# Altium PCB BMS_Slave-X+Y.PcbDoc (part 1 of 3)
Units mil, origin at the board's own origin, x right, y up, seen from the top; angles counter-clockwise.
Board outline 10980 x 2910 mil, 2 copper layers (Top Layer, Bottom Layer); 344 components, 227 nets, 912 pads, 532 vias.
Unrouted connection lines stored in the file: 1.
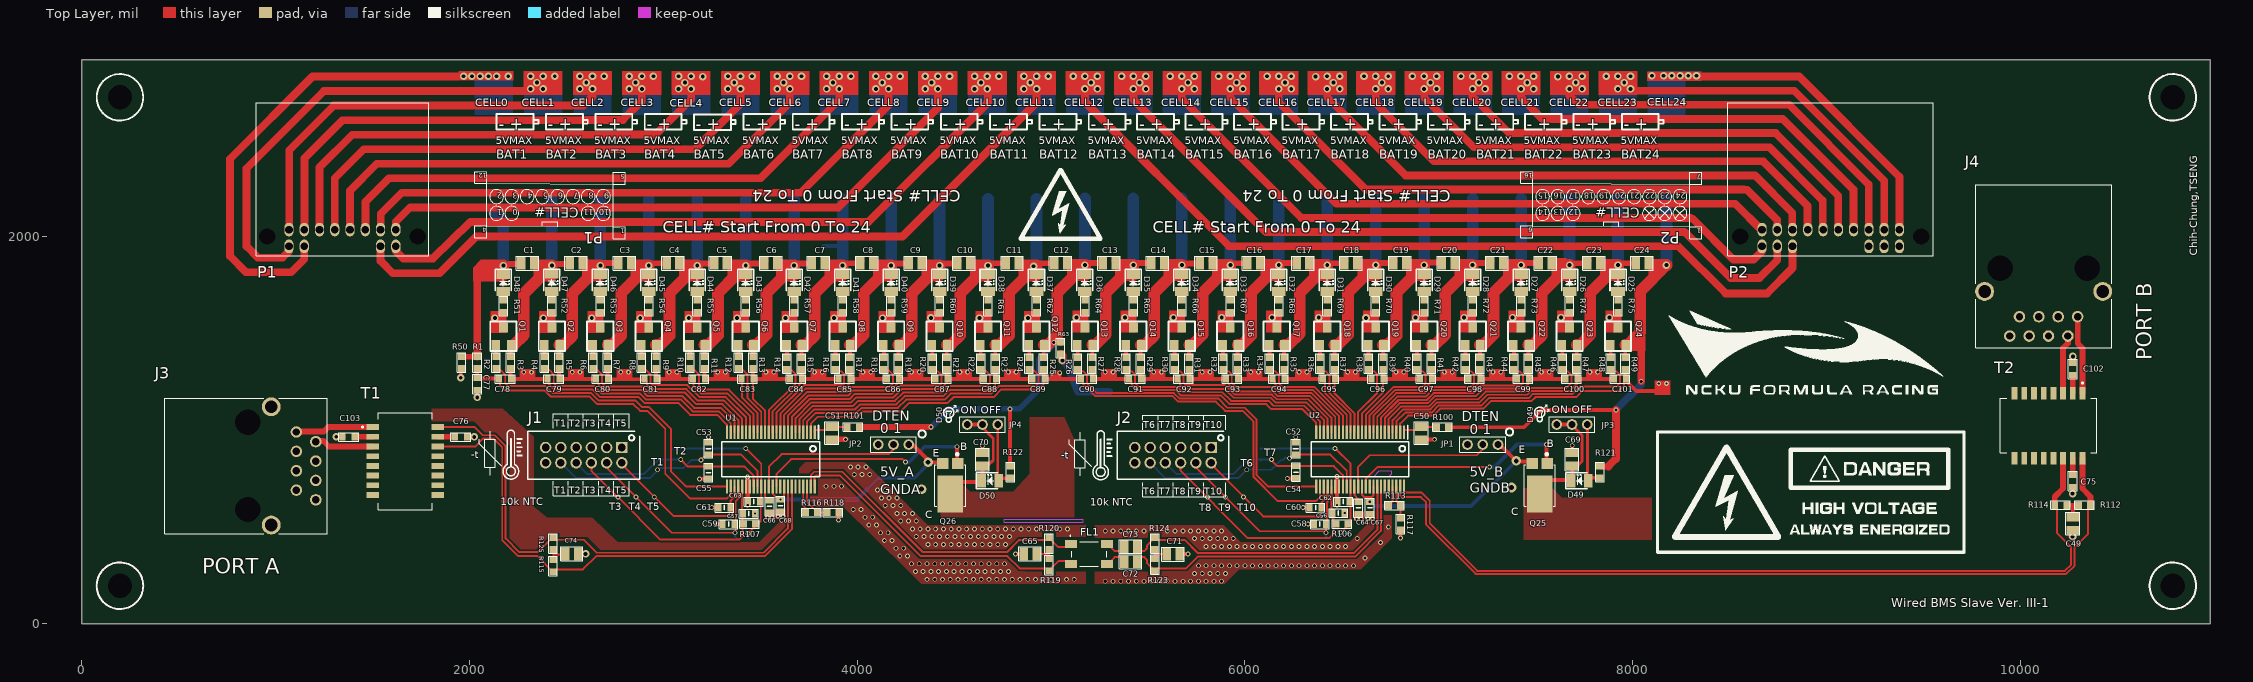
[diagram p0: Top Layer view]
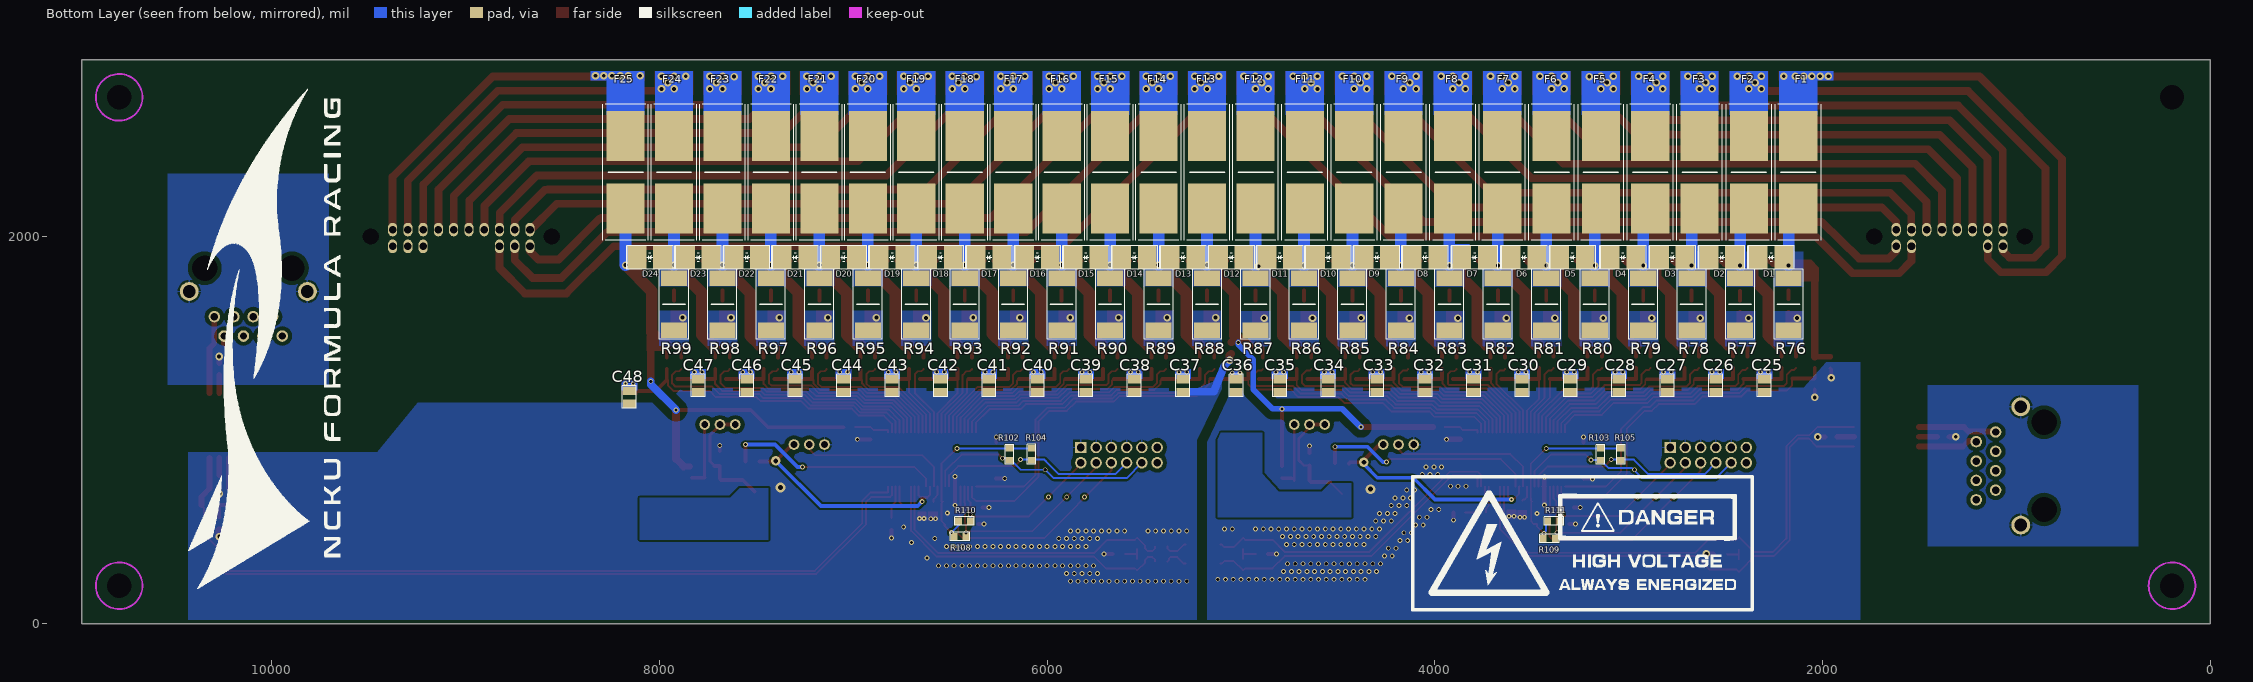
[diagram p1: Bottom Layer view, seen from below]
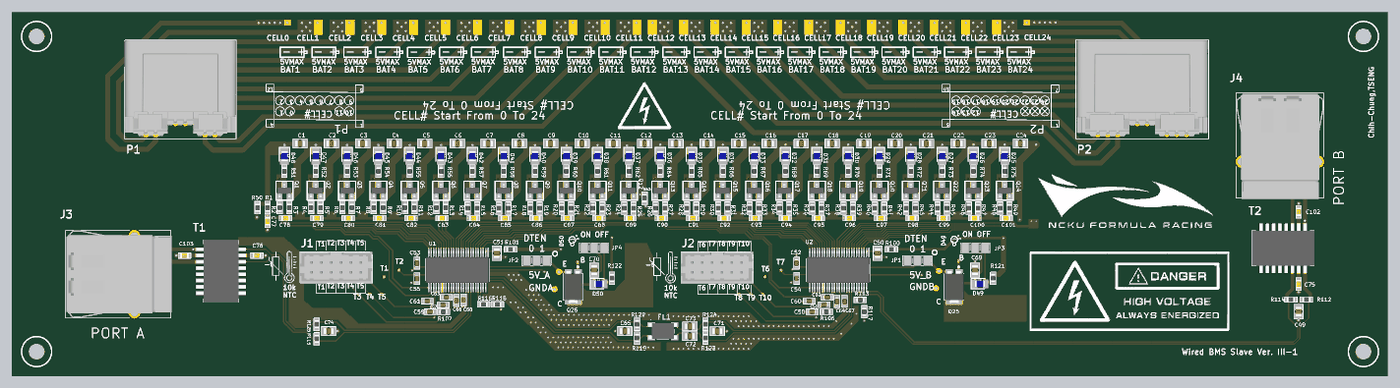
[diagram p4: 3D render of the assembled board from above, using the file's embedded part models]
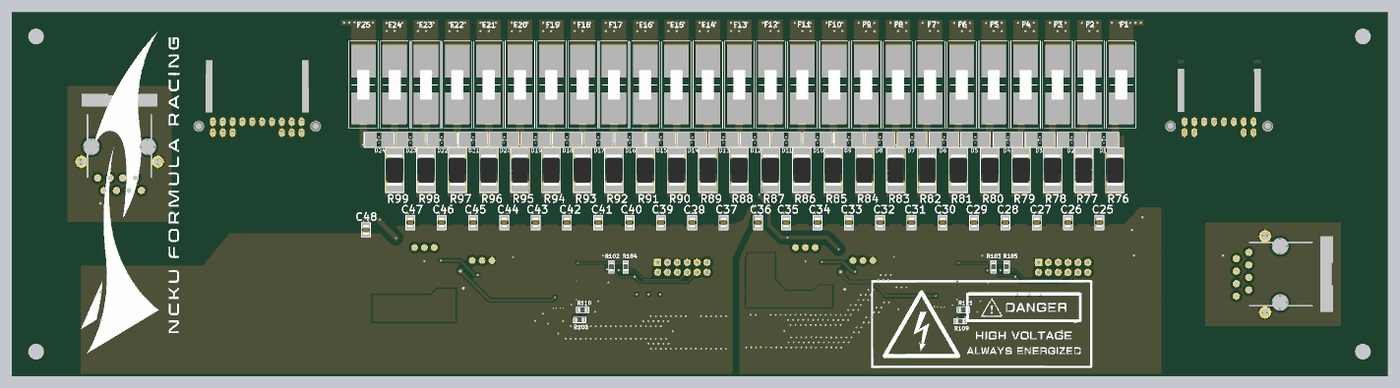
[diagram p5: 3D render of the assembled board from below, using the file's embedded part models]

## Layer stack, top to bottom
Top Solder: solder mask 0.4, Solder Resist, Dk 3.5
Top Layer: signal copper 1.4
Dielectric 1: dielectric 12.6, FR-4, Dk 4.8
Bottom Layer: signal copper 1.4
Bottom Solder: solder mask 0.4, Solder Resist, Dk 3.5

## Board outline
0,0 10980,0 10980,2910 0,2910

## Design rules (kind name [scope] priority, off if disabled: settings)
BoardOutlineClearance [All] p1: gap=10 ignorepadtopadclearanceinfootprint=FALSE except(0: Arc-SplitContinuation Track-SplitContinuation SMDPad-SplitContinuation THPad-SplitContinuation Via-SplitContinuation Fill-SplitContinuation Poly-SplitContinuation Region-SplitContinuation Text-SplitContinuation; 20: Poly-OutlineEdge)
Clearance "Cell0-24 CLEARANCE" [InNet('CELL24','CELL23','CELL22','CELL21','CELL20','CELL19','CELL18','CELL17','CELL16','CELL15','CELL14','CELL13','CELL12','CELL11','CELL10','CELL9','CELL8','CELL7','CELL6','CELL5','CELL4','CELL3','CELL2','CELL1','CELL0')] p1: gap=10 ignorepadtopadclearanceinfootprint=FALSE except(0: Arc-Hole Track-Hole SMDPad-Hole THPad-Hole Via-Hole Fill-Hole Poly-Hole Region-Hole Text-Hole; 2: SMDPad-SMDPad; 6: Arc-Arc Arc-Track Arc-SMDPad Arc-THPad Arc-Via Track-Track Track-SMDPad Track-THPad Track-Via SMDPad-THPad SMDPad-Via; 40: Track-Poly SMDPad-Poly THPad-Poly Via-Poly)
Clearance "C0-24 CLEARANCE" [InNet('C24','C23','C22','C21','C20','C19','C18','C17','C16','C15','C14','C13','C12','C11','C10','C9','C8','C7','C6','C5','C4','C3','C2','C1','C0')] p2: gap=10 ignorepadtopadclearanceinfootprint=FALSE except(0: Arc-Hole Track-Hole SMDPad-Hole THPad-Hole Via-Hole Fill-Hole Poly-Hole Region-Hole Text-Hole; 2: SMDPad-SMDPad; 6: Arc-Arc Arc-Track Arc-SMDPad Arc-THPad Arc-Via Track-Track Track-SMDPad Track-THPad Track-Via SMDPad-THPad SMDPad-Via; 40: Track-Poly SMDPad-Poly THPad-Poly Via-Poly)
Clearance "Layer2 Clearance" [OnLayer('Layer 2')] p3: gap=40 ignorepadtopadclearanceinfootprint=FALSE
Clearance "Cell_UF_0-24 CLEARANCE" [InNet('CELL_UF_24','CELL_UF_23','CELL_UF_22','CELL_UF_21','CELL_UF_20','CELL_UF_19','CELL_UF_18','CELL_UF_17','CELL_UF_16','CELL_UF_15','CELL_UF_14','CELL_UF_13','CELL_UF_12','CELL_UF_11','CELL_UF_10','CELL_UF_9','CELL_UF_8','CELL_UF_7','CELL_UF_6','CELL_UF_5','CELL_UF_4','CELL_UF_3','CELL_UF_2','CELL_UF_1','CELL_UF_0')] p4: gap=10 ignorepadtopadclearanceinfootprint=FALSE except(0: Arc-Hole Track-Hole SMDPad-Hole THPad-Hole Via-Hole Fill-Hole Poly-Hole Region-Hole Text-Hole; 2: SMDPad-SMDPad; 6: Arc-Arc Arc-Track Arc-SMDPad Arc-THPad Arc-Via Track-Track Track-SMDPad Track-THPad Track-Via SMDPad-THPad SMDPad-Via; 40: Track-Poly SMDPad-Poly THPad-Poly Via-Poly)
Clearance "MOS DRAIN CLEARANCE" [InNet('NetQ24_3','NetQ23_3','NetQ22_3','NetQ21_3','NetQ20_3','NetQ19_3','NetQ18_3','NetQ17_3','NetQ16_3','NetQ15_3','NetQ14_3','NetQ13_3','NetQ12_3','NetQ11_3','NetQ10_3','NetQ9_3','NetQ8_3','NetQ7_3','NetQ6_3','NetQ5_3','NetQ4_3','NetQ3_3','NetQ2_3','NetQ1_3','NetQ0_3')] p5: gap=10 ignorepadtopadclearanceinfootprint=FALSE except(0: Arc-Hole Track-Hole SMDPad-Hole THPad-Hole Via-Hole Fill-Hole Poly-Hole Region-Hole Text-Hole; 2: SMDPad-SMDPad; 6: Arc-Arc Arc-Track Arc-SMDPad Arc-THPad Arc-Via Track-Track Track-SMDPad Track-THPad Track-Via SMDPad-THPad SMDPad-Via; 40: Track-Poly SMDPad-Poly THPad-Poly Via-Poly)
Clearance [All] p6: gap=10 ignorepadtopadclearanceinfootprint=FALSE except(0: Arc-Hole Track-Hole SMDPad-Hole THPad-Hole Via-Hole Fill-Hole Poly-Hole Region-Hole Text-Hole; 2: SMDPad-SMDPad; 6: Arc-Arc Arc-Track Arc-SMDPad Arc-THPad Arc-Via Track-Track Track-SMDPad Track-THPad Track-Via SMDPad-THPad SMDPad-Via SMDPad-Poly; 20: THPad-Poly)
DiffPairsRouting [All] p1: maxlimit=15 minlimit=8 mostfreqgap=10 toplayer_minwidth=10 toplayer_maxwidth=15 toplayer_prefwidth=15 bottomlayer_maxgap=10 bottomlayer_minwidth=10 bottomlayer_maxwidth=15 bottomlayer_prefwidth=15 maxuncoupledlength=500
PlaneConnect [All] p1: pad.planeconnectstyle=Relief pad.reliefexpansion=20 pad.reliefentries=4 pad.reliefconductorwidth=10 pad.reliefairgap=10 via.planeconnectstyle=Direct via.reliefexpansion=20 via.reliefentries=4 via.reliefconductorwidth=10 via.reliefairgap=10
PolygonConnect [All] p1: thpad.connectstyle=Relief thpad.reliefconductorwidth=10 thpad.reliefentries=4 thpad.polygonreliefangle="90 Angle" thpad.airgapwidth=10 smdpad.connectstyle=Direct smdpad.reliefconductorwidth=10 smdpad.reliefentries=4 smdpad.polygonreliefangle="90 Angle" smdpad.airgapwidth=10 via.connectstyle=Direct via.reliefconductorwidth=10 via.reliefentries=4 via.polygonreliefangle="90 Angle" via.airgapwidth=10
RoutingVias [All] p1: holewidth=10 width=24 viastyle="Through Hole" minholewidth=10 minwidth=20 maxholewidth=28 maxwidth=50
SilkToSilkClearance [All] p1: silktosilkclearance=3
SolderMaskExpansion [All] p1: expansion=4
UnRoutedNet [All] p1: checkbadconnections=TRUE
Width [All] p1: maxlimit=60 minlimit=6 preferedwidth=10 minimp=50.000000 maximp=50.000000 favimp=50.000000
26 further rules are at their usual default settings.

## Classes and differential pairs
differential pair ISO_SPI_MED: +ISO_SPI_MED_P -ISO_SPI_MED_N
differential pair ISO_SPI_TOP: +ISO_SPI_TOP_P -ISO_SPI_TOP_N
differential pair ISO_SPI_BOTTOM: +ISO_SPI_BOTTOM_P -ISO_SPI_BOTTOM_N

## Components (designator, comment, footprint, x,y, rotation, side; value= is the part's Value field where it differs from the comment)
C1 "25V 0.1uF X7R 0805 10%, MLCC" CAPC2012X88N 2300,1860 r180 top
C2 "25V 0.1uF X7R 0805 10%, MLCC" CAPC2012X88N 2550,1860 r180 top
C3 "25V 0.1uF X7R 0805 10%, MLCC" CAPC2012X88N 2800,1860 r180 top
C4 "25V 0.1uF X7R 0805 10%, MLCC" CAPC2012X88N 3050,1860 r180 top
C5 "25V 0.1uF X7R 0805 10%, MLCC" CAPC2012X88N 3295,1860 r180 top
C6 "25V 0.1uF X7R 0805 10%, MLCC" CAPC2012X88N 3555,1860 r180 top
C7 "25V 0.1uF X7R 0805 10%, MLCC" CAPC2012X88N 3800,1860 r180 top
C8 "25V 0.1uF X7R 0805 10%, MLCC" CAPC2012X88N 4050,1860 r180 top
C9 "25V 0.1uF X7R 0805 10%, MLCC" CAPC2012X88N 4300,1860 r180 top
C10 "25V 0.1uF X7R 0805 10%, MLCC" CAPC2012X88N 4550,1860 r180 top
C11 "25V 0.1uF X7R 0805 10%, MLCC" CAPC2012X88N 4800,1860 r180 top
C12 "25V 0.1uF X7R 0805 10%, MLCC" CAPC2012X88N 5050,1860 r180 top
C13 "25V 0.1uF X7R 0805 10%, MLCC" CAPC2012X88N 5300,1860 r180 top
C14 "25V 0.1uF X7R 0805 10%, MLCC" CAPC2012X88N 5550,1860 r180 top
C15 "25V 0.1uF X7R 0805 10%, MLCC" CAPC2012X88N 5800,1860 r180 top
C16 "25V 0.1uF X7R 0805 10%, MLCC" CAPC2012X88N 6045,1860 r180 top
C17 "25V 0.1uF X7R 0805 10%, MLCC" CAPC2012X88N 6300,1860 r180 top
C18 "25V 0.1uF X7R 0805 10%, MLCC" CAPC2012X88N 6547.36,1860 r180 top
C19 "25V 0.1uF X7R 0805 10%, MLCC" CAPC2012X88N 6800,1860 r180 top
C20 "25V 0.1uF X7R 0805 10%, MLCC" CAPC2012X88N 7050,1860 r180 top
C21 "25V 0.1uF X7R 0805 10%, MLCC" CAPC2012X88N 7300,1860 r180 top
C22 "25V 0.1uF X7R 0805 10%, MLCC" CAPC2012X88N 7550,1860 r180 top
C23 "25V 0.1uF X7R 0805 10%, MLCC" CAPC2012X88N 7800,1860 r180 top
C24 "25V 0.1uF X7R 0805 10%, MLCC" CAPC2012X88N 8050,1860 r180 top
C25 "200V, 0.01uF, 0805, X7R" CAPC2012X88N 2300,1228.66 r270 bottom
C26 "200V, 0.01uF, 0805, X7R" CAPC2012X88N 2550,1228.66 r270 bottom
C27 "200V, 0.01uF, 0805, X7R" CAPC2012X88N 2800,1228.66 r270 bottom
C28 "200V, 0.01uF, 0805, X7R" CAPC2012X88N 3050,1228.66 r270 bottom
C29 "200V, 0.01uF, 0805, X7R" CAPC2012X88N 3300,1228.66 r270 bottom
C30 "200V, 0.01uF, 0805, X7R" CAPC2012X88N 3550,1228.66 r270 bottom
C31 "200V, 0.01uF, 0805, X7R" CAPC2012X88N 3800,1228.66 r270 bottom
C32 "200V, 0.01uF, 0805, X7R" CAPC2012X88N 4050,1228.66 r270 bottom
C33 "200V, 0.01uF, 0805, X7R" CAPC2012X88N 4300,1228.66 r270 bottom
C34 "200V, 0.01uF, 0805, X7R" CAPC2012X88N 4550,1228.66 r270 bottom
C35 "200V, 0.01uF, 0805, X7R" CAPC2012X88N 4800,1228.66 r270 bottom
C36 "200V, 0.01uF, 0805, X7R" CAPC2012X88N 5025,1228.66 r270 bottom
C37 "200V, 0.01uF, 0805, X7R" CAPC2012X88N 5300,1228.66 r270 bottom
C38 "200V, 0.01uF, 0805, X7R" CAPC2012X88N 5550,1228.66 r270 bottom
C39 "200V, 0.01uF, 0805, X7R" CAPC2012X88N 5800,1228.66 r270 bottom
C40 "200V, 0.01uF, 0805, X7R" CAPC2012X88N 6050,1228.66 r270 bottom
C41 "200V, 0.01uF, 0805, X7R" CAPC2012X88N 6300,1228.66 r270 bottom
C42 "200V, 0.01uF, 0805, X7R" CAPC2012X88N 6550,1228.66 r270 bottom
C43 "200V, 0.01uF, 0805, X7R" CAPC2012X88N 6800,1228.66 r270 bottom
C44 "200V, 0.01uF, 0805, X7R" CAPC2012X88N 7050,1228.66 r270 bottom
C45 "200V, 0.01uF, 0805, X7R" CAPC2012X88N 7300,1228.66 r270 bottom
C46 "200V, 0.01uF, 0805, X7R" CAPC2012X88N 7550,1228.66 r270 bottom
C47 "200V, 0.01uF, 0805, X7R" CAPC2012X88N 7800,1228.66 r270 bottom
C48 "200V, 0.01uF, 0805, X7R" CAPC2012X88N 8155,1170 r270 bottom
C49 "200V, 0.01uF, 0805, X7R" CAPC2012X88N 10270.5,516.92 r270 top
C50 "200V, 0.1uF, 0805, X7R" CAPC2012X88N 6910.31,983.66 r270 top
C51 "200V, 0.1uF, 0805, X7R" CAPC2012X88N 3870,983.66 r270 top
C52 "CGA3E1X7R1E105K080AC" CAPC1608X90N 6262.5,904.16 r90 top
C53 "CGA3E1X7R1E105K080AC" CAPC1608X90N 3233,904.16 r90 top
C54 "CGA3E1X7R1E105K080AC" CAPC1608X90N 6263.66,782.73 r270 top
C55 "CGA3E1X7R1E105K080AC" CAPC1608X90N 3233,780 r270 top
C56 "CGA3E1X7R1E105K080AC" CAPC1608X90N 6483,572 r0 top
C57 "CGA3E1X7R1E105K080AC" CAPC1608X90N 3440.91,568.76 r0 top
C58 "CGA3E1X7R1E105K080AC" CAPC1608X90N 6387.17,515 r180 top
C59 "CGA3E1X7R1E105K080AC" CAPC1608X90N 3337.17,515 r180 top
C60 "CGA3E1X7R1E105K080AC" CAPC1608X90N 6365,600 r180 top
C61 "CGA3E1X7R1E105K080AC" CAPC1608X90N 3315,600 r180 top
C62 "CGA3E1X7R1E105K080AC" CAPC1608X90N 6507.64,630.66 r180 top
C63 "CGA3E1X7R1E105K080AC" CAPC1608X90N 3466.5,630.66 r180 top
C64 "CGA3E1X7R1E105K080AC" CAPC1608X90N 6586,598 r270 top
C65 "200V, 0.01uF, 0805, X7R" CAPC2012X88N 4892,361 r180 top
C66 "CGA3E1X7R1E105K080AC" CAPC1608X90N 3548,606 r270 top
C67 "CGA3E1X7R1E105K080AC" CAPC1608X90N 6645,599 r270 top
C68 "CGA3E1X7R1E105K080AC" CAPC1608X90N 3604.33,610 r270 top
C69 "200V, 0.1uF, 0603, X7R" CAPC2012X88N 7687.66,848.66 r90 top
C70 "200V, 0.1uF, 0603, X7R" CAPC2012X88N 4646.52,848.66 r90 top
C71 "200V, 0.01uF, 0603, X7R" CAPC2012X88N 5630.33,360 r0 top
C72 "200V, 0.01uF, 0603, X7R" CAPC2012X88N 5411,320.79 r180 top
C73 "200V, 0.01uF, 0603, X7R" CAPC2012X88N 5411,399.21 r180 top
C74 "200V, 0.01uF, 0805, X7R" CAPC2012X88N 2527.58,361 r0 top
C75 "200V, 0.01uF, 0603, X7R" CAPC1608X85N 10271,736.92 r270 top
C76 "200V, 0.01uF, 0603, X7R" CAPC1608X85N 1955,965 r0 top
C77 "200V, 0.01uF, 0603, X7R" CAPC1608X85N 2040,1238.48 r270 top (schematic designator C101)
C78 "200V, 0.01uF, 0603, X7R" CAPC1608X85N 2184.4,1263.66 r180 top (schematic designator C100)
C79 "200V, 0.01uF, 0603, X7R" CAPC1608X85N 2434.64,1263.9 r180 top (schematic designator C99)
C80 "200V, 0.01uF, 0603, X7R" CAPC1608X85N 2684.4,1263.66 r180 top (schematic designator C98)
C81 "200V, 0.01uF, 0603, X7R" CAPC1608X85N 2934.4,1263.66 r180 top (schematic designator C97)
C82 "200V, 0.01uF, 0603, X7R" CAPC1608X85N 3184.4,1263.66 r180 top (schematic designator C96)
C83 "200V, 0.01uF, 0603, X7R" CAPC1608X85N 3434.4,1263.66 r180 top (schematic designator C95)
C84 "200V, 0.01uF, 0603, X7R" CAPC1608X85N 3684.4,1263.66 r180 top (schematic designator C94)
C85 "200V, 0.01uF, 0603, X7R" CAPC1608X85N 3934.4,1263.66 r180 top (schematic designator C93)
C86 "200V, 0.01uF, 0603, X7R" CAPC1608X85N 4184.4,1263.66 r180 top (schematic designator C92)
C87 "200V, 0.01uF, 0603, X7R" CAPC1608X85N 4434.4,1263.66 r180 top (schematic designator C91)
C88 "200V, 0.01uF, 0603, X7R" CAPC1608X85N 4684.4,1263.66 r180 top (schematic designator C90)
C89 "200V, 0.01uF, 0603, X7R" CAPC1608X85N 4934.4,1263.66 r180 top
C90 "200V, 0.01uF, 0603, X7R" CAPC1608X85N 5184.4,1263.66 r180 top (schematic designator C88)
C91 "200V, 0.01uF, 0603, X7R" CAPC1608X85N 5434.4,1263.66 r180 top (schematic designator C87)
C92 "200V, 0.01uF, 0603, X7R" CAPC1608X85N 5684.4,1263.66 r180 top (schematic designator C86)
C93 "200V, 0.01uF, 0603, X7R" CAPC1608X85N 5934.4,1263.66 r180 top (schematic designator C85)
C94 "200V, 0.01uF, 0603, X7R" CAPC1608X85N 6174.4,1263.66 r180 top (schematic designator C84)
C95 "200V, 0.01uF, 0603, X7R" CAPC1608X85N 6434.4,1263.66 r180 top (schematic designator C83)
C96 "200V, 0.01uF, 0603, X7R" CAPC1608X85N 6684.4,1263.66 r180 top (schematic designator C82)
C97 "200V, 0.01uF, 0603, X7R" CAPC1608X85N 6934.4,1263.66 r180 top (schematic designator C81)
C98 "200V, 0.01uF, 0603, X7R" CAPC1608X85N 7184.4,1263.66 r180 top (schematic designator C80)
C99 "200V, 0.01uF, 0603, X7R" CAPC1608X85N 7434.4,1263.66 r180 top (schematic designator C79)
C100 "200V, 0.01uF, 0603, X7R" CAPC1608X85N 7684.4,1263.66 r180 top (schematic designator C78)
C101 "200V, 0.01uF, 0603, X7R" CAPC1608X85N 7934.4,1263.66 r180 top (schematic designator C77)
C102 "200V, 0.01uF, 0603, X7R" CAPC1608X85N 10271,1314.92 r90 top
C103 "200V, 0.01uF, 0603, X7R" CAPC1608X85N 1377,965 r180 top
D1 "SZESD9101P2T5G" SODFL1006X40N 2265,1890 r180 bottom
D2 "SZESD9101P2T5G" SODFL1006X40N 2520,1890 r180 bottom
D3 "SZESD9101P2T5G" SODFL1006X40N 2775,1890 r180 bottom
D4 "SZESD9101P2T5G" SODFL1006X40N 3030,1890 r180 bottom
D5 "SZESD9101P2T5G" SODFL1006X40N 3290,1890 r180 bottom
D6 "SZESD9101P2T5G" SODFL1006X40N 3540,1890 r180 bottom
D7 "SZESD9101P2T5G" SODFL1006X40N 3795,1890 r180 bottom
D8 "SZESD9101P2T5G" SODFL1006X40N 4050,1890 r180 bottom
D9 "SZESD9101P2T5G" SODFL1006X40N 4300,1890 r180 bottom
D10 "SZESD9101P2T5G" SODFL1006X40N 4550,1890 r180 bottom
D11 "SZESD9101P2T5G" SODFL1006X40N 4800,1890 r180 bottom
D12 "SZESD9101P2T5G" SODFL1006X40N 5050,1890 r180 bottom
D13 "SZESD9101P2T5G" SODFL1006X40N 5300,1890 r180 bottom
D14 "SZESD9101P2T5G" SODFL1006X40N 5550,1890 r180 bottom
D15 "SZESD9101P2T5G" SODFL1006X40N 5800,1890 r180 bottom
D16 "SZESD9101P2T5G" SODFL1006X40N 6050,1890 r180 bottom
D17 "SZESD9101P2T5G" SODFL1006X40N 6300,1890 r180 bottom
D18 "SZESD9101P2T5G" SODFL1006X40N 6550,1890 r180 bottom
D19 "SZESD9101P2T5G" SODFL1006X40N 6800,1890 r180 bottom
D20 "SZESD9101P2T5G" SODFL1006X40N 7050,1890 r180 bottom
D21 "SZESD9101P2T5G" SODFL1006X40N 7300,1890 r180 bottom
D22 "SZESD9101P2T5G" SODFL1006X40N 7550,1890 r180 bottom
D23 "SZESD9101P2T5G" SODFL1006X40N 7800,1890 r180 bottom
D24 "SZESD9101P2T5G" SODFL1006X40N 8050,1890 r180 bottom
D25 "SML-210VTT86" LEDC2012X80N 7925,1758.66 r270 top
D26 "SML-210VTT86" LEDC2012X80N 7675,1758.66 r270 top
D27 "SML-210VTT86" LEDC2012X80N 7425,1758.66 r270 top
D28 "SML-210VTT86" LEDC2012X80N 7175,1758.66 r270 top
D29 "SML-210VTT86" LEDC2012X80N 6925,1758.66 r270 top
D30 "SML-210VTT86" LEDC2012X80N 6675,1758.66 r270 top
D31 "SML-210VTT86" LEDC2012X80N 6424.84,1758.66 r270 top
D32 "SML-210VTT86" LEDC2012X80N 6175,1758.66 r270 top
D33 "SML-210VTT86" LEDC2012X80N 5925,1758.66 r270 top
D34 "SML-210VTT86" LEDC2012X80N 5675,1758.66 r270 top
D35 "SML-210VTT86" LEDC2012X80N 5425,1758.66 r270 top
D36 "SML-210VTT86" LEDC2012X80N 5175,1758.66 r270 top
D37 "SML-210VTT86" LEDC2012X80N 4925,1758.66 r270 top
D38 "SML-210VTT86" LEDC2012X80N 4675,1758.66 r270 top
D39 "SML-210VTT86" LEDC2012X80N 4425,1758.66 r270 top
D40 "SML-210VTT86" LEDC2012X80N 4175,1758.66 r270 top
D41 "SML-210VTT86" LEDC2012X80N 3925,1758.66 r270 top
D42 "SML-210VTT86" LEDC2012X80N 3675,1758.66 r270 top
D43 "SML-210VTT86" LEDC2012X80N 3425,1758.66 r270 top
D44 "SML-210VTT86" LEDC2012X80N 3175,1758.66 r270 top
D45 "SML-210VTT86" LEDC2012X80N 2925,1758.66 r270 top
D46 "SML-210VTT86" LEDC2012X80N 2675,1758.66 r270 top
D47 "SML-210VTT86" LEDC2012X80N 2425.39,1758.9 r270 top
D48 "SML-210VTT86" LEDC2012X80N 2175,1758.66 r270 top
D49 "SML-210VTT86" LEDC2012X80N 7727.03,738.66 r0 top
D50 "SML-210VTT86" LEDC2012X80N 4685.89,738.66 r0 top
F1 "0885001.DR" 0679L0250-05_FUSE_SMD 2125,2330 r270 bottom
F2 "0885001.DR" 0679L0250-05_FUSE_SMD 2379.55,2330 r270 bottom
F3 "0885001.DR" 0679L0250-05_FUSE_SMD 2634.09,2330 r270 bottom
F4 "0885001.DR" 0679L0250-05_FUSE_SMD 2888.64,2330 r270 bottom
F5 "0885001.DR" 0679L0250-05_FUSE_SMD 3143.18,2330 r270 bottom
F6 "0885001.DR" 0679L0250-05_FUSE_SMD 3397.73,2330 r270 bottom
F7 "0885001.DR" 0679L0250-05_FUSE_SMD 3652.27,2330 r270 bottom
F8 "0885001.DR" 0679L0250-05_FUSE_SMD 3906.82,2330 r270 bottom
F9 "0885001.DR" 0679L0250-05_FUSE_SMD 4161.36,2330 r270 bottom
F10 "0885001.DR" 0679L0250-05_FUSE_SMD 4415.91,2330 r270 bottom
F11 "0885001.DR" 0679L0250-05_FUSE_SMD 4670.45,2330 r270 bottom
F12 "0885001.DR" 0679L0250-05_FUSE_SMD 4925,2330 r270 bottom
F13 "0885001.DR" 0679L0250-05_FUSE_SMD 5175,2330 r270 bottom
F14 "0885001.DR" 0679L0250-05_FUSE_SMD 5425,2330 r270 bottom
F15 "0885001.DR" 0679L0250-05_FUSE_SMD 5675,2330 r270 bottom
F16 "0885001.DR" 0679L0250-05_FUSE_SMD 5925,2330 r270 bottom
F17 "0885001.DR" 0679L0250-05_FUSE_SMD 6175,2330 r270 bottom
F18 "0885001.DR" 0679L0250-05_FUSE_SMD 6425,2330 r270 bottom
F19 "0885001.DR" 0679L0250-05_FUSE_SMD 6675,2330 r270 bottom
F20 "0885001.DR" 0679L0250-05_FUSE_SMD 6925,2330 r270 bottom
F21 "0885001.DR" 0679L0250-05_FUSE_SMD 7175,2330 r270 bottom
F22 "0885001.DR" 0679L0250-05_FUSE_SMD 7425,2330 r270 bottom
F23 "0885001.DR" 0679L0250-05_FUSE_SMD 7675,2330 r270 bottom
F24 "0885001.DR" 0679L0250-05_FUSE_SMD 7925,2330 r270 bottom
F25 "0885001.DR" 0679L0250-05_FUSE_SMD 8175,2330 r270 bottom
FL1 "ACT45B-101-2P-TL003" ACT45B1012PTL003 5196,360 r0 top
J1 "87831-1220" SHDR12W55P200_2X6_1465X630X640P 2786.22,910 r180 top (schematic designator J2)